# KiCad board keybird42.kicad_pcb (continued)
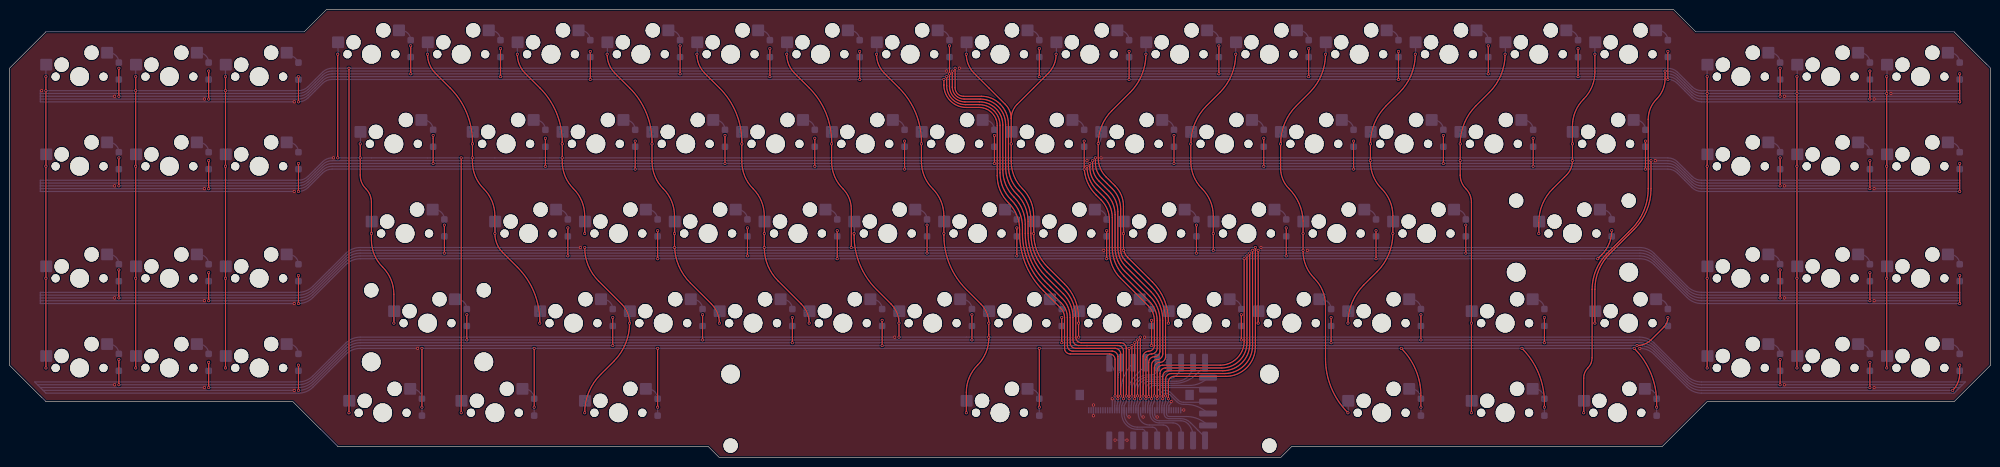
[diagram p0: board, top side]
## Routing (per net, layer and track width the routed paths; a pad name or vN(x,y) marks a point on that pad's centre or on a via; arc(x,y) is an arc through that point) (continued)
  vias: v1(45.84,77.99)
/COL2: length 488
  Top w0.254: v1(230.39,63.7) 230.39,62.6 arc(230.73,60.86) 231.71,59.39 233.96,57.15 arc(235.28,55.17) 235.74,52.84 235.74,44.2 arc(235.99,42.96) 236.69,41.92 242.32,36.28 arc(244.5,33.02) 245.27,29.17 245.27,21.43 arc(244.92,20.59) 244.08,20.24 arc(243.24,19.89) 242.89,19.05 v1(242.89,13.1) ; v1(122.04,47.63) 122.04,51.4 arc(121.42,54.51) 119.66,57.15 arc(117.95,59.65) 117.28,62.61 117.28,66.67 v1(117.28,66.68) 117.28,67.08 arc(116.04,73.31) 112.51,78.58 109.44,81.66 arc(108.19,83.53) v1(107.75,85.73) ; v1(69.65,85.73) v1(69.65,63.7) ; v1(112.51,28.58) 112.51,28.98 arc(111.28,35.21) 107.75,40.48 104.67,43.56 arc(103.43,45.43) v1(102.99,47.63) 102.99,51.4 arc(102.37,54.51) 100.61,57.15 arc(98.9,59.65) 98.23,62.61 98.23,66.67 v1(98.23,66.68) 98.23,67.08 arc(96.99,73.31) 93.46,78.58 90.39,81.66 arc(89.14,83.53) v1(88.7,85.73) ; v1(81.56,28.58) 81.56,34.73 arc(80.94,37.84) 79.18,40.48 arc(77.41,43.12) 76.8,46.23 v1(76.8,47.63) 76.8,54.28 arc(76.49,55.83) 75.6,57.15 arc(74.72,58.47) 74.41,60.02 v1(74.41,66.68) ; v1(95.85,9.53) v1(95.85,63.7)
  Bottom w0.254: v1(230.39,63.7) v1(117.28,63.7) v1(98.23,63.7) v1(95.85,63.7) v1(74.41,63.7) v1(69.65,63.7) ; v1(95.85,9.53) 95.85,12.01 arc(95.86,12.05) SW502.1 ; 103.05,50.17 103.05,47.68 arc(103.03,47.64) v1(102.99,47.63) ; U1.15 251.1,4.54 arc(250.81,5.99) 249.99,7.22 arc(249.32,7.67) 248.54,7.83 243.93,7.83 arc(242.9,8.26) 242.47,9.29 J1.28 242.47,11.01 242.89,11.91 v1(242.89,13.1) ; SW212.1 74.47,66.73 arc(74.46,66.69) v1(74.41,66.68) ; 122.1,50.17 122.1,47.68 arc(122.08,47.64) v1(122.04,47.63) ; SW112.1 69.71,85.78 arc(69.69,85.74) v1(69.65,85.73) ; v1(112.51,28.58) 112.51,30.97 arc(112.53,31.05) SW432.1 ; v1(107.75,85.73) 107.75,88.21 arc(107.77,88.25) SW132.1 ; SW412.1 81.62,28.63 arc(81.6,28.59) v1(81.56,28.58) ; SW222.1 98.29,66.73 arc(98.27,66.69) v1(98.23,66.68) ; 76.85,50.17 76.85,47.68 arc(76.84,47.64) v1(76.8,47.63) ; v1(88.7,85.73) 88.7,88.21 arc(88.72,88.25) SW122.1 ; SW232.1 117.34,66.73 arc(117.32,66.69) v1(117.28,66.68)
/COL3: length 449.2
  Top w0.254: v1(245.86,12.5) 245.86,16.07 arc(246.21,16.92) 247.05,17.26 258.04,17.26 arc(262.48,19.1) 264.32,23.54 v1(264.32,44.65) ; v1(178.59,44.65) 178.59,52.84 arc(178.13,55.17) 176.81,57.15 arc(175.05,59.79) 174.43,62.9 v1(174.43,66.68) 174.43,67.08 arc(173.19,73.31) 169.66,78.58 166.59,81.66 arc(165.34,83.53) v1(164.9,85.73) ; v1(145.85,85.73) arc(146.29,83.53) 147.54,81.66 150.61,78.58 arc(154.14,73.31) 155.38,67.08 v1(155.38,66.68) 155.38,62.9 arc(156,59.79) 157.76,57.15 arc(159.52,54.51) 160.14,51.4 v1(160.14,44.65) arc(160.91,40.8) 163.09,37.53 167.98,32.64 arc(169.23,30.78) v1(169.66,28.58) ; v1(122.04,44.65) arc(122.8,40.8) 124.99,37.53 129.88,32.64 arc(131.13,30.78) v1(131.56,28.58) arc(130.69,24.18) 128.2,20.44 125.41,17.66 arc(122.91,13.92) v1(122.04,9.53) ; v1(126.8,85.73) arc(127.24,83.53) 128.49,81.66 131.56,78.58 arc(135.09,73.31) 136.33,67.08 v1(136.33,66.68) 136.33,62.9 arc(136.95,59.79) 138.71,57.15 arc(140.47,54.51) 141.09,51.4 v1(141.09,47.63) 141.09,45.24 arc(141.96,40.84) 144.46,37.11 148.93,32.64 arc(150.18,30.78) v1(150.61,28.58)
  Bottom w0.254: v1(245.86,12.5) 245.86,11.91 245.47,11.01 J1.34 245.47,9.29 arc(245.63,8.9) 246.03,8.73 249.68,8.73 arc(252.17,8.24) U1.13 ; 160.2,50.17 160.2,47.68 arc(160.18,47.64) v1(160.14,47.63) ; SW123.1 145.91,85.87 arc(145.9,85.79) v1(145.85,85.73) ; SW113.1 126.86,85.78 arc(126.84,85.74) v1(126.8,85.73) ; v1(264.32,44.65) v1(178.59,44.65) v1(160.14,44.65) v1(141.09,44.65) v1(122.04,44.65) ; SW433.1 169.72,28.63 arc(169.71,28.59) v1(169.66,28.58) ; 141.15,50.17 141.15,47.77 arc(141.13,47.69) v1(141.09,47.63) ; v1(122.04,9.53) 122.04,11.92 arc(122.05,12) SW503.1 ; SW413.1 131.62,28.72 arc(131.61,28.64) v1(131.56,28.58) ; SW223.1 155.44,66.82 arc(155.42,66.74) v1(155.38,66.68) ; SW233.1 174.49,66.82 arc(174.47,66.74) v1(174.43,66.68) ; SW133.1 164.96,85.78 arc(164.94,85.74) v1(164.9,85.73) ; SW213.1 136.39,66.82 arc(136.37,66.74) v1(136.33,66.68) ; SW423.1 150.67,28.63 arc(150.66,28.59) v1(150.61,28.58)
/COL4: length 303.8
  Top w0.254: v1(203,9.53) 203,13.9 arc(203.62,17.01) 205.38,19.65 arc(207.15,22.28) 207.76,25.39 v1(207.76,28.58) arc(207.33,30.78) 206.08,32.64 203,35.72 arc(199.48,40.99) 198.24,47.22 v1(198.24,47.63) 198.24,51.4 arc(197.62,54.51) 195.86,57.15 arc(194.1,59.79) 193.48,62.9 v1(193.48,66.68) 193.48,67.08 arc(192.24,73.31) 188.71,78.58 185.64,81.66 arc(184.39,83.53) v1(183.95,85.73) ; v1(179.19,47.63) 179.19,47.22 arc(180.43,40.99) 183.95,35.72 187.03,32.64 arc(188.28,30.78) v1(188.71,28.58) v1(188.71,25.6) ; v1(239.91,25.6) v1(239.91,12.5) ; v1(226.81,25.6) v1(226.81,28.58) 226.81,29.72 arc(226.04,33.61) 223.84,36.91 220.24,40.51 arc(218.06,43.78) v1(217.29,47.63) 217.29,51.4 arc(216.67,54.51) 214.91,57.15 arc(213.15,59.79) 212.53,62.9 v1(212.53,66.68) 212.53,72.03 ; 212.53,72.03 arc(212.2,73.68) 211.26,75.08 204.69,81.66 arc(203.44,83.53) v1(203,85.73) ; 212.53,72.03 arc(212.85,73.68) 213.79,75.08 220.37,81.66 arc(221.61,83.53) v1(222.05,85.73)
  Bottom w0.254: SW414.1 188.77,28.63 arc(188.76,28.59) v1(188.71,28.58) ; SW114.1 184.01,85.87 arc(184,85.79) v1(183.95,85.73) ; v1(239.91,25.6) v1(226.81,25.6) v1(207.76,25.6) v1(188.71,25.6) ; v1(239.91,12.5) 239.91,11.91 239.47,11.01 J1.22 239.47,9.29 arc(240.16,7.62) 241.84,6.92 244.76,6.92 arc(245.65,6.55) 246.02,5.66 U1.17 ; 179.25,50.17 179.25,47.68 arc(179.23,47.64) v1(179.19,47.63) ; SW134.1 222.11,85.87 arc(222.1,85.79) v1(222.05,85.73) ; SW214.1 193.54,66.82 arc(193.52,66.74) v1(193.48,66.68) ; v1(203,85.73) 203,88.12 arc(203.02,88.2) SW124.1 ; SW334.1 217.35,47.68 arc(217.33,47.64) v1(217.29,47.63) ; v1(212.53,66.68) 212.53,69.07 ; v1(226.81,28.58) 226.81,30.97 arc(226.83,31.05) SW434.1 ; SW504.1 203.06,9.58 arc(203.04,9.54) v1(203,9.53) ; v1(207.76,28.58) 207.76,30.97 arc(207.78,31.05) SW424.1 ; v1(198.24,47.63) 198.24,50.02 arc(198.25,50.1) SW324.1
/COL5: length 340.7
  Top w0.254: v1(269.68,66.68) 269.68,61.46 arc(270.14,59.13) 271.46,57.15 arc(273.61,53.99) 274.44,50.27 274.44,44.06 v1(274.44,44.05) 274.44,43.85 arc(275.06,40.74) 276.82,38.1 arc(278.58,35.46) 279.2,32.35 279.2,21.02 arc(280.44,14.8) v1(283.96,9.53) ; v1(269.68,66.68) 269.68,67.08 ; v1(269.68,66.68) arc(270.55,71.08) 273.04,74.81 275.83,77.59 arc(278.33,81.33) v1(279.2,85.73) ; v1(263.72,44.05) 263.72,23.81 arc(261.98,19.6) 257.78,17.86 246.46,17.86 arc(245.62,17.51) 245.27,16.67 v1(245.27,13.1) ; v1(245.86,28.58) 245.86,29.17 arc(244.99,33.57) 242.5,37.3 237.18,42.62 arc(236.56,43.55) 236.34,44.65 v1(236.34,47.63) 236.34,53.43 arc(235.88,55.77) 234.55,57.75 232.67,59.63 arc(231.42,61.5) 230.98,63.7 v1(230.98,66.75) arc(231.73,70.53) 233.88,73.74 237.73,77.59 arc(240.23,81.33) v1(241.1,85.73) ; v1(264.91,28.58) v1(264.91,44.05) ; v1(255.39,44.05) v1(255.39,47.63) 255.39,51.4 arc(254.77,54.51) 253.01,57.15 arc(251.25,59.79) 250.63,62.9 v1(250.63,66.68) arc(251.5,71.08) 253.99,74.81 256.78,77.59 arc(259.28,81.33) v1(260.15,85.73)
  Bottom w0.254: SW235.1 269.74,66.82 arc(269.72,66.74) v1(269.68,66.68) ; SW505.1 284.02,9.58 v1(283.96,9.53) ; 255.45,50.17 255.45,47.68 arc(255.43,47.64) v1(255.39,47.63) ; SW425.1 264.97,28.63 arc(264.96,28.59) v1(264.91,28.58) ; v1(260.15,85.73) 260.15,88.12 arc(260.17,88.2) SW125.1 ; SW215.1 231.64,68.32 arc(231.47,67.47) v1(230.98,66.75) ; SW135.1 279.26,85.87 arc(279.25,85.79) v1(279.2,85.73) ; SW225.1 250.69,66.82 arc(250.67,66.74) v1(250.63,66.68) ; SW415.1 245.92,28.72 arc(245.91,28.64) v1(245.86,28.58) ; v1(241.1,85.73) 241.1,88.12 arc(241.12,88.2) SW115.1 ; v1(274.44,44.05) v1(264.91,44.05) v1(255.39,44.05) v1(236.34,44.05) ; SW315.1 236.4,47.68 arc(236.38,47.64) v1(236.34,47.63) ; 274.5,50.17 274.5,47.68 arc(274.48,47.64) v1(274.44,47.63) ; v1(245.27,13.1) 245.27,11.91 244.97,11.01 J1.33 244.97,9.3 arc(245.27,8.58) 245.99,8.28 248.48,8.28 arc(249.6,8.06) 250.54,7.43 253.17,4.8 arc(253.52,4.28) U1.14
/COL6: length 444.4
  Top w0.254: v1(229.79,63.1) 229.79,62.04 arc(230.14,60.27) 231.14,58.78 233.36,56.55 arc(234.68,54.58) 235.15,52.24 235.15,44.65 arc(235.59,42.45) 236.83,40.58 242.15,35.27 arc(244.02,32.47) 244.67,29.17 244.67,22.03 arc(244.32,21.18) 243.48,20.84 arc(242.64,20.49) 242.29,19.65 v1(242.29,12.5) ; v1(310.16,9.53) v1(310.16,28.58) 310.16,54.28 arc(309.85,55.83) 308.97,57.15 arc(308.09,58.47) 307.78,60.02 307.78,60.03 v1(307.78,66.68) arc(308.65,71.08) 311.14,74.81 313.93,77.59 arc(316.43,81.33) v1(317.3,85.73) ; v1(324.45,47.63) 324.45,49.96 arc(325.22,53.85) 327.42,57.15 330.33,60.05 arc(331.26,61.45) v1(331.59,63.1) 331.59,70.45 arc(332.21,73.56) 333.97,76.2 arc(335.73,78.84) 336.35,81.95 v1(336.35,85.73) ; v1(348.26,63.1) 348.26,57.15 arc(347.33,52.48) 344.68,48.51 339.51,43.34 arc(337.17,39.84) 336.35,35.72 336.35,28.58 arc(336.35,28.58) v1(336.35,28.58) ; v1(298.25,85.73) arc(297.38,81.33) 294.88,77.59 292.09,74.81 arc(289.6,71.08) v1(288.73,66.68) 288.73,62.9 arc(289.35,59.79) 291.11,57.15 arc(292.87,54.51) 293.49,51.4 v1(293.49,47.63) arc(292.61,43.23) 290.12,39.49 287.33,36.71 arc(284.84,32.98) v1(283.96,28.58)
  Bottom w0.254: U1.16 248.56,5.65 arc(248.06,6.87) 246.84,7.37 243.9,7.37 arc(242.54,7.94) 241.97,9.3 J1.27 241.97,11.01 242.29,11.91 v1(242.29,12.5) ; SW226.1 307.84,66.82 arc(307.82,66.74) v1(307.78,66.68) ; SW126.1 317.36,85.87 arc(317.35,85.79) v1(317.3,85.73) ; v1(348.26,63.1) v1(307.78,63.1) v1(288.73,63.1) v1(229.79,63.1) ; v1(283.96,28.58) 283.96,30.97 arc(283.98,31.05) SW416.1 ; v1(293.49,47.63) 293.49,50.02 arc(293.5,50.1) SW316.1 ; SW216.1 288.79,66.82 arc(288.77,66.74) v1(288.73,66.68) ; v1(336.35,85.73) 336.35,88.12 arc(336.37,88.2) SW136.1 ; v1(336.35,28.58) 336.35,30.97 arc(336.37,31.05) SW436.1 ; SW116.1 298.31,85.87 arc(298.3,85.79) v1(298.25,85.73) ; v1(331.59,66.68) 331.59,69.07 arc(331.6,69.15) SW236.1 ; v1(310.16,9.53) 310.16,11.92 arc(310.17,12) SW506.1 ; 324.5,50.17 324.5,47.77 arc(324.49,47.69) v1(324.45,47.63) ; v1(310.16,28.58) 310.16,30.97 arc(310.17,31.05) SW426.1
/COL7: length 601
  Top w0.254: v1(398.26,19.05) v1(398.26,38.1) v1(398.26,61.91) v1(398.26,80.96) ; v1(379.21,80.96) v1(379.21,61.91) v1(379.21,38.1) v1(379.21,19.05) ; v1(236.34,12.5) 236.34,22.62 arc(235.99,23.46) 235.15,23.81 ; 360.16,19.05 v1(360.16,19.05) v1(360.16,38.1) v1(360.16,61.91) v1(360.16,80.96) ; v1(200.03,82.15) 200.03,78.73 arc(200.77,76.94) 202.55,76.2 205.93,76.2 arc(209.75,74.62) 211.34,70.79 211.34,61.71 arc(211.95,58.6) 213.72,55.96 arc(215.48,53.32) 216.1,50.21 216.1,47.63 arc(217.08,42.68) 219.89,38.48 223.52,34.85 arc(225.08,32.52) 225.62,29.77 225.62,25 arc(225.97,24.16) 226.81,23.81 235.15,23.81 ; v1(333.97,9.53) 333.97,16.9 arc(334.2,18.06) 334.86,19.05 arc(335.52,20.04) 335.76,21.21 335.76,35.72 arc(336.58,39.84) 338.91,43.34 344.08,48.51 arc(346.73,52.48) 347.66,57.15 347.66,71.89 arc(348.13,74.22) 349.45,76.2 arc(350.77,78.18) 351.23,80.51 v1(351.23,82.15)
  Bottom w0.254: SW137.1 398.32,81.02 arc(398.31,80.98) v1(398.26,80.96) ; SW427.1 379.27,19.11 arc(379.26,19.07) v1(379.21,19.05) ; v1(360.16,80.96) 360.16,83.36 arc(360.18,83.44) SW117.1 ; SW127.1 379.27,81.02 arc(379.26,80.98) v1(379.21,80.96) ; v1(360.16,61.91) 360.16,64.31 arc(360.18,64.39) SW217.1 ; 398.32,40.65 398.32,38.16 arc(398.31,38.12) v1(398.26,38.1) ; v1(398.26,19.05) 398.26,21.55 arc(398.28,21.59) 398.32,21.6 ; U1.19 240.94,5.41 arc(240.77,5.84) 240.34,6.02 239.23,6.02 arc(236.92,6.97) 235.97,9.28 J1.15 235.97,11.01 236.34,11.91 v1(236.34,12.5) ; v1(379.21,38.1) 379.21,40.58 arc(379.23,40.62) SW327.1 ; v1(200.03,82.15) 351.83,82.15 arc(352.93,81.93) 353.86,81.31 356.94,78.23 arc(357.87,77.61) 358.97,77.39 v1(360.16,77.39) v1(379.21,77.39) v1(398.26,77.39) ; SW507.1 334.03,9.58 arc(334.01,9.54) v1(333.97,9.53) ; SW227.1 379.27,61.97 arc(379.26,61.93) v1(379.21,61.91) ; SW317.1 360.22,38.24 arc(360.21,38.17) v1(360.16,38.1) ; SW237.1 398.32,61.97 arc(398.31,61.93) v1(398.26,61.91) ; v1(360.16,19.05) 360.16,21.53 arc(360.18,21.57) SW417.1
/ROW11: length 515.5
  Top w0.254: 226.22,23.22 234.55,23.22 arc(235.4,22.87) 235.74,22.03 v1(235.74,13.1) ; v1(23.22,82.75) v1(23.22,76.8) ; v1(256.58,87.51) v1(256.58,81.56) ; v1(199.43,87.51) 199.43,78.88 199.43,78.88 arc(200.39,76.56) 202.7,75.6 205.79,75.6 arc(209.29,74.16) 210.74,70.66 210.74,61.11 arc(211.36,58) 213.12,55.36 arc(214.88,52.73) 215.5,49.62 215.5,47.63 arc(216.6,42.13) 219.71,37.46 223.34,33.83 arc(224.59,31.97) 225.03,29.77 225.03,24.41 ; v1(375.64,82.75) v1(375.64,76.8) ; v1(142.28,87.51) v1(142.28,81.56) ; v1(313.73,87.51) v1(313.73,81.56) ; v1(85.13,87.51) v1(85.13,81.56) ; 226.22,23.22 arc(225.38,23.57) 225.03,24.41
  Bottom w0.254: D115.1 v1(256.58,87.51) ; J1.14 235.47,11.01 235.74,11.91 v1(235.74,13.1) 235.74,13.74 arc(236.43,17.22) U1.2 ; D114.1 v1(199.43,87.51) ; D112.1 85.13,86.92 arc(85.13,86.92) 85.13,86.92 85.13,86.92 v1(85.13,87.51) ; D113.1 v1(142.28,87.51) ; v1(375.64,76.8) 358.97,76.8 arc(357.87,77.01) 356.94,77.64 353.86,80.72 arc(352.93,81.34) 351.83,81.56 v1(313.73,81.56) v1(199.43,81.56) v1(142.28,81.56) v1(85.13,81.56) 68.46,81.56 arc(67.36,81.34) 66.43,80.72 63.35,77.64 arc(62.42,77.01) 61.32,76.8 v1(23.22,76.8) ; D117.1 375.64,82.75 arc(375.64,82.75) v1(375.64,82.75) ; v1(23.22,82.75) D111.1 ; D116.1 v1(313.73,87.51)
/ROW12: length 510.7
  Top w0.254: v1(235.15,12.5) 235.15,21.43 arc(234.8,22.27) 233.96,22.62 233.96,22.62 225.62,22.62 ; v1(275.63,86.92) v1(275.63,80.96) ; v1(332.78,86.92) v1(332.78,80.96) ; v1(198.83,80.96) 198.83,79.03 198.83,79.03 arc(200.01,76.19) 202.85,75.01 205.74,75.01 arc(208.86,73.72) 210.15,70.61 210.15,60.52 arc(210.76,57.41) 212.53,54.77 arc(214.29,52.13) 214.91,49.02 214.91,47.63 arc(216.11,41.58) 219.54,36.45 223.17,32.81 arc(224.1,31.42) 224.43,29.77 224.43,23.81 ; v1(394.69,82.15) v1(394.69,76.2) ; v1(42.27,82.15) v1(42.27,76.2) ; v1(218.48,86.92) v1(218.48,80.96) ; v1(161.33,86.92) v1(161.33,80.96) ; v1(104.18,86.92) v1(104.18,80.96) ; 225.62,22.62 arc(224.78,22.97) 224.43,23.81
  Bottom w0.254: D123.1 v1(161.33,86.92) ; v1(394.69,76.2) 358.97,76.2 arc(357.87,76.42) 356.94,77.04 353.86,80.12 arc(352.93,80.74) 351.83,80.96 v1(332.78,80.96) v1(275.63,80.96) v1(218.48,80.96) v1(198.83,80.96) v1(161.33,80.96) v1(104.18,80.96) 68.46,80.96 arc(67.36,80.74) 66.43,80.12 63.35,77.04 arc(62.42,76.42) 61.32,76.2 v1(42.27,76.2) ; D125.1 v1(275.63,86.92) ; J1.13 234.97,11.01 235.15,11.91 v1(235.15,12.5) 235.15,17.02 arc(235.3,17.8) 235.74,18.45 arc(235.83,18.59) 235.86,18.74 U1.1 ; D122.1 v1(104.18,86.92) ; D126.1 v1(332.78,86.92) ; D124.1 v1(218.48,86.92) ; D121.1 v1(42.27,82.15) ; D127.1 394.69,82.15 arc(394.69,82.15) v1(394.69,82.15)
/ROW13: length 504.8
  Top w0.254: v1(123.23,86.32) v1(123.23,80.37) ; v1(413.74,81.56) v1(413.74,75.6) ; v1(234.55,13.1) 234.55,20.84 arc(234.2,21.68) 233.36,22.03 225.03,22.03 arc(224.19,22.37) 223.84,23.22 ; v1(237.53,86.32) v1(237.53,80.37) ; v1(294.68,86.32) v1(294.68,80.37) ; v1(198.24,80.37) 198.24,79.18 arc(199.63,75.81) 203,74.41 205.68,74.41 arc(208.42,73.28) 209.55,70.55 209.55,59.92 arc(210.17,56.81) 211.93,54.17 arc(213.69,51.54) 214.31,48.42 214.31,47.56 arc(215.61,41.02) 219.32,35.48 223,31.8 arc(223.62,30.87) 223.84,29.77 223.84,23.22 ; v1(351.83,86.32) v1(351.83,80.37) ; v1(180.38,86.32) v1(180.38,80.37) ; v1(61.32,80.96) v1(61.32,75.6)
  Bottom w0.254: D133.1 v1(180.38,86.32) ; D136.1 v1(351.83,86.32) ; v1(413.74,75.6) 358.97,75.6 arc(357.87,75.82) 356.94,76.45 353.86,79.53 arc(352.93,80.15) v1(351.83,80.37) v1(294.68,80.37) v1(237.53,80.37) v1(198.24,80.37) v1(180.38,80.37) v1(123.23,80.37) 68.46,80.37 arc(67.36,80.15) 66.43,79.53 63.35,76.45 arc(62.42,75.82) v1(61.32,75.6) ; v1(123.23,86.32) D132.1 ; D135.1 v1(294.68,86.32) ; D137.1 413.74,81.56 arc(413.74,81.56) v1(413.74,81.56) ; v1(61.32,80.96) 61.32,79.76 ; D134.1 v1(237.53,86.32) ; J1.12 234.47,11.01 234.55,11.91 v1(234.55,13.1) 234.55,17.19 arc(234.23,18.8) U1.0
/ROW21: length 488.1
  Top w0.254: v1(151.8,68.46) v1(151.8,62.51) ; v1(247.05,68.46) v1(247.05,62.51) ; v1(89.89,68.46) v1(89.89,62.51) ; v1(375.64,63.7) v1(375.64,57.75) ; v1(208.95,68.46) v1(208.95,62.51) ; v1(23.22,63.7) v1(23.22,57.75) ; v1(304.2,68.46) v1(304.2,62.51) ; v1(229.2,62.48) 229.2,61.7 arc(229.59,59.7) 230.73,58 232.77,55.96 arc(234.09,53.98) 234.55,51.65 234.55,44.65 arc(235.1,41.9) 236.66,39.57 241.97,34.25 arc(243.53,31.92) 244.08,29.17 244.08,22.62 arc(243.73,21.78) 242.89,21.43 arc(242.05,21.08) 241.7,20.24 241.7,12.99 arc(241.69,12.99) v1(241.69,12.98)
  Bottom w0.254: J1.26 241.47,11.01 241.7,11.91 241.7,12.97 v1(241.69,12.98) 241.69,14.13 arc(242.04,14.98) 242.89,15.33 250.28,15.33 arc(252.44,15.76) U1.9 ; D214.1 v1(208.95,68.46) ; D213.1 v1(151.8,68.46) ; D215.1 v1(247.05,68.46) ; D216.1 v1(304.2,68.46) ; D217.1 375.64,63.7 arc(375.64,63.7) v1(375.64,63.7) ; v1(89.89,68.46) 89.89,67.87 89.89,67.87 D212.1 ; v1(23.22,57.75) 61.32,57.75 arc(62.42,57.96) 63.35,58.59 66.43,61.67 arc(67.36,62.29) 68.46,62.51 v1(89.89,62.51) v1(151.8,62.51) v1(208.95,62.51) 229.17,62.51 v1(229.2,62.48) 229.22,62.51 v1(247.05,62.51) v1(304.2,62.51) 351.83,62.51 arc(352.93,62.29) 353.86,61.67 356.94,58.59 arc(357.87,57.96) 358.97,57.75 v1(375.64,57.75) ; D211.1 v1(23.22,63.7)
/ROW22: length 477.7
  Top w0.254: v1(170.85,67.87) v1(170.85,61.91) ; v1(42.27,63.1) v1(42.27,57.15) ; v1(266.1,67.87) v1(266.1,61.91) ; v1(323.25,67.87) v1(323.25,61.91) ; v1(394.69,63.1) v1(394.69,57.15) ; v1(113.7,67.87) v1(113.7,61.91) ; v1(241.1,12.5) arc(241.1,12.5) 241.1,12.5 241.1,20.84 arc(241.45,21.68) 242.29,22.03 arc(243.13,22.38) 243.48,23.22 243.48,29.17 arc(243.05,31.37) 241.8,33.24 236.48,38.55 arc(234.61,41.35) 233.96,44.65 233.96,51.05 arc(233.49,53.39) 232.17,55.36 230.66,56.88 arc(229.13,59.16) 228.6,61.84
  Bottom w0.254: v1(42.27,57.15) 61.32,57.15 arc(62.42,57.37) 63.35,57.99 66.43,61.07 arc(67.36,61.69) 68.46,61.91 v1(113.7,61.91) v1(170.85,61.91) v1(228.6,61.91) v1(266.1,61.91) v1(323.25,61.91) 351.83,61.91 arc(352.93,61.69) 353.86,61.07 356.94,57.99 arc(357.87,57.37) 358.97,57.15 v1(394.69,57.15) ; D222.1 v1(113.7,67.87) ; D223.1 v1(170.85,67.87) ; D226.1 323.25,67.87 arc(323.25,67.87) v1(323.25,67.87) ; D225.1 v1(266.1,67.87) ; D227.1 394.69,63.1 arc(394.69,63.1) v1(394.69,63.1) ; D221.1 v1(42.27,63.1) ; J1.25 240.97,11.01 241.1,11.91 241.1,12.5 v1(241.1,12.5) 241.1,14.58 arc(241.45,15.43) 242.29,15.78 247.16,15.78 arc(249.68,16.28) 251.8,17.7 253.2,19.09 arc(253.53,19.58) U1.8
/ROW23: length 479.3
  Top w0.254: v1(189.9,67.27) v1(189.9,61.32) ; v1(413.74,62.51) v1(413.74,56.55) ; v1(228,67.27) 228,61.91 arc(228.66,58.61) 230.53,55.81 231.58,54.77 arc(232.9,52.79) 233.36,50.46 233.36,43.82 arc(233.98,40.74) 235.73,38.12 241.62,32.22 arc(242.56,30.82) 242.89,29.17 242.89,23.81 arc(242.54,22.97) 241.7,22.62 arc(240.86,22.27) 240.51,21.43 v1(240.51,13.1) ; v1(285.15,67.27) v1(285.15,61.32) ; v1(61.32,62.51) v1(61.32,56.55) ; v1(132.75,67.27) v1(132.75,61.32) ; v1(347.07,67.27) v1(347.07,61.32)
  Bottom w0.254: U1.7 251.1,19.71 arc(250.08,17.25) 247.61,16.22 241.7,16.22 arc(240.86,15.87) 240.51,15.03 v1(240.51,13.1) J1.24 ; D235.1 v1(285.15,67.27) ; D237.1 413.74,62.51 arc(413.74,62.51) v1(413.74,62.51) ; v1(132.75,67.27) D232.1 ; v1(413.74,56.55) 358.97,56.55 arc(357.87,56.77) 356.94,57.4 353.86,60.48 arc(352.93,61.1) 351.83,61.32 v1(347.07,61.32) v1(285.15,61.32) v1(228,61.32) v1(189.9,61.32) v1(132.75,61.32) 68.46,61.32 arc(67.36,61.1) 66.43,60.48 63.35,57.4 arc(62.42,56.77) v1(61.32,56.55) ; D236.1 v1(347.07,67.27) ; D234.1 v1(228,67.27) ; v1(61.32,62.51) D231.1 ; D233.1 v1(189.9,67.27)
/ROW31: length 470.5
  Top w0.254: v1(251.82,49.41) v1(251.82,43.46) ; v1(194.67,49.41) v1(194.67,43.46) ; v1(263.13,43.46) 263.13,24.15 arc(261.46,20.12) 257.43,18.45 245.86,18.45 arc(245.02,18.11) 244.67,17.26 v1(244.67,12.5) ; v1(375.64,39.89) v1(375.64,33.93) ; v1(23.22,39.89) v1(23.22,33.93) ; v1(308.97,49.41) v1(308.97,43.46) ; v1(92.27,49.41) v1(92.27,43.46)
  Bottom w0.254: D312.1 v1(92.27,49.41) ; D314.1 v1(194.67,49.41) ; D311.1 v1(23.22,39.89) ; D316.1 v1(308.97,49.41) ; v1(375.64,33.93) 358.97,33.93 arc(357.32,34.26) 355.92,35.2 348.93,42.19 arc(347.53,43.13) 345.88,43.46 v1(308.97,43.46) v1(251.82,43.46) v1(194.67,43.46) v1(92.27,43.46) 74.41,43.46 arc(72.76,43.13) 71.37,42.19 64.37,35.2 arc(62.97,34.26) 61.32,33.93 v1(23.22,33.93) ; D317.1 375.64,39.89 arc(375.64,39.89) v1(375.64,39.89) ; J1.32 244.47,11.01 244.67,11.91 v1(244.67,12.5) 244.67,13.1 arc(244.85,13.52) 245.27,13.69 arc(245.82,13.58) 246.29,13.27 247.69,11.87 arc(248.31,11.46) 249.04,11.31 249.58,11.31 arc(252.12,10.81) U1.12 ; D315.1 v1(251.82,49.41)
/ROW32: length 466.6
  Top w0.254: 262.53,24.41 v1(262.53,42.86) ; v1(156.57,48.82) v1(156.57,42.86) ; v1(118.47,48.82) v1(118.47,42.86) ; v1(394.69,39.29) v1(394.69,33.34) ; v1(270.87,48.82) v1(270.87,42.86) ; v1(244.08,13.1) 244.08,17.86 arc(244.43,18.7) 245.27,19.05 257.19,19.05 arc(260.97,20.62) 262.53,24.4 ; v1(213.72,48.82) v1(213.72,42.86) ; v1(42.27,39.29) v1(42.27,33.34)
  Bottom w0.254: v1(244.08,13.1) 244.08,13.3 ; v1(244.08,13.1) 244.08,11.91 243.97,11.01 J1.31 ; v1(244.08,13.1) arc(244.43,13.94) 245.27,14.29 arc(245.82,14.18) 246.29,13.87 247.93,12.22 arc(248.44,11.88) 249.05,11.76 253.92,11.76 arc(254.11,11.8) U1.11 ; D327.1 394.69,39.29 arc(394.69,39.29) v1(394.69,39.29) ; D322.1 v1(118.47,48.82) ; v1(394.69,33.34) 358.97,33.34 arc(357.32,33.67) 355.92,34.6 348.93,41.6 arc(347.53,42.53) 345.88,42.86 v1(270.87,42.86) v1(213.72,42.86) v1(156.57,42.86) v1(118.47,42.86) 74.41,42.86 arc(72.76,42.53) 71.37,41.6 64.37,34.6 arc(62.97,33.67) 61.32,33.34 v1(42.27,33.34) ; D323.1 v1(156.57,48.82) ; D324.1 v1(213.72,48.82) ; D325.1 v1(270.87,48.82) ; D321.1 v1(42.27,39.29)
/ROW33: length 471.5
  Top w0.254: v1(261.94,42.27) 261.94,24.73 arc(260.45,21.13) 256.85,19.65 244.67,19.65 arc(243.83,19.3) 243.48,18.45 v1(243.48,12.5) ; v1(232.77,48.22) v1(232.77,42.27) ; v1(336.95,42.27) 337.82,43.14 arc(339.38,45.47) v1(339.92,48.22) ; v1(137.52,48.22) v1(137.52,42.27) ; v1(175.62,48.22) v1(175.62,42.27) ; v1(61.32,38.7) v1(61.32,32.74) ; v1(289.92,48.22) v1(289.92,42.27) ; v1(413.74,38.7) v1(413.74,32.74)
  Bottom w0.254: D333.1 v1(175.62,48.22) ; D336.1 v1(339.92,48.22) ; D334.1 v1(232.77,48.22) ; D335.1 v1(289.92,48.22) ; v1(61.32,38.7) D331.1 ; 413.74,37.5 413.74,38.69 arc(413.74,38.7) v1(413.74,38.7) ; D332.1 v1(137.52,48.22) ; v1(413.74,32.74) 358.97,32.74 arc(357.32,33.07) 355.92,34.01 348.93,41 arc(347.53,41.94) 345.88,42.27 v1(232.77,42.27) v1(175.62,42.27) v1(137.52,42.27) 74.41,42.27 arc(72.76,41.94) 71.37,41 64.37,34.01 arc(62.97,33.07) v1(61.32,32.74) ; J1.30 v1(243.48,12.5) 243.48,13.69 arc(243.83,14.53) 244.67,14.88 253.84,14.88 arc(254.15,14.75) U1.10
/ROW41: length 442.8
  Top w0.254: v1(23.22,20.84) v1(23.22,15.48) ; v1(375.64,20.84) v1(375.64,15.48) ; v1(204.19,30.36) v1(204.19,25) ; v1(97.04,30.36) v1(97.04,25) ; v1(261.34,30.36) v1(261.34,25) ; v1(299.44,30.36) v1(299.44,25) ; v1(239.32,25) v1(239.32,13.1) ; v1(147.04,30.36) v1(147.04,25)
  Bottom w0.254: D416.1 299.44,30.36 arc(299.44,30.36) v1(299.44,30.36) ; U1.6 248.56,19.71 arc(247.73,17.62) 245.69,16.67 241.7,16.67 arc(240.02,15.97) 239.32,14.28 v1(239.32,13.1) 239.32,11.91 238.97,10.97 J1.21 ; D417.1 375.64,20.84 arc(375.64,20.84) v1(375.64,20.84) ; v1(23.22,15.48) 61.32,15.48 arc(62.97,15.81) 64.37,16.74 71.37,23.74 arc(72.76,24.67) 74.41,25 v1(97.04,25) v1(147.04,25) v1(204.19,25) v1(261.34,25) v1(299.44,25) 345.88,25 arc(347.53,24.67) 348.93,23.74 355.92,16.74 arc(357.32,15.81) 358.97,15.48 v1(375.64,15.48) ; D412.1 v1(97.04,30.36) ; D415.1 261.34,30.36 arc(261.34,30.36) v1(261.34,30.36) ; D413.1 147.04,30.36 arc(147.04,30.36) v1(147.04,30.36) ; D411.1 23.22,20.24 arc(23.22,20.24) 23.21,20.24 23.22,20.25 v1(23.22,20.84) ; 204.19,27.97 204.19,30.36 arc(204.19,30.36) v1(204.19,30.36)
/ROW42: length 429.9
  Top w0.254: v1(325.64,29.77) v1(325.64,24.41) ; v1(42.27,20.24) v1(42.27,14.88) ; v1(280.39,29.77) v1(280.39,24.41) ; v1(238.72,24.41) v1(238.72,12.5) ; v1(223.24,29.77) v1(223.24,24.41) ; v1(394.69,20.24) v1(394.69,14.88) ; v1(166.09,29.77) v1(166.09,24.41)
  Bottom w0.254: v1(394.69,14.88) 358.97,14.88 arc(357.32,15.21) 355.92,16.15 348.93,23.14 arc(347.53,24.08) 345.88,24.41 v1(325.64,24.41) v1(280.39,24.41) v1(223.24,24.41) v1(166.09,24.41) 74.41,24.41 arc(72.76,24.08) 71.37,23.14 64.37,16.15 arc(62.97,15.21) 61.32,14.88 v1(42.27,14.88) ; D424.1 223.24,29.77 arc(223.24,29.77) v1(223.24,29.77) ; D426.1 v1(325.64,29.77) ; D425.1 280.39,29.77 arc(280.39,29.77) v1(280.39,29.77) ; D427.1 394.69,20.24 arc(394.69,20.24) v1(394.69,20.24) ; 246.02,19.89 U1.5 246.02,19.45 arc(245.39,17.85) 243.84,17.12 241.58,17.12 arc(239.56,16.28) 238.72,14.26 v1(238.72,12.5) 238.72,11.91 238.47,11.01 J1.20 ; D421.1 v1(42.27,20.24) ; D423.1 166.09,29.77 arc(166.09,29.77) v1(166.09,29.77)
/ROW43: length 429.1
  Top w0.254: v1(413.74,19.65) 413.74,17.88 arc(413.36,15.94) v1(412.25,14.29) ; v1(185.14,29.17) v1(185.14,23.81) ; v1(127.99,29.77) v1(127.99,23.81) ; v1(242.29,29.17) v1(242.29,23.81) ; v1(238.13,23.81) v1(238.13,13.1) ; v1(61.32,19.65) v1(61.32,14.29) ; v1(345.28,23.81) arc(346.93,24.14) 348.33,25.08 350.99,27.73 arc(351.61,28.67) v1(351.83,29.77)
  Bottom w0.254: v1(412.25,14.29) 358.97,14.29 arc(357.32,14.62) 355.92,15.55 348.93,22.55 arc(347.53,23.48) 345.88,23.81 v1(242.29,23.81) v1(185.14,23.81) v1(127.99,23.81) 74.41,23.81 arc(72.76,23.48) 71.37,22.55 64.37,15.55 arc(62.97,14.62) v1(61.32,14.29) ; D434.1 242.29,29.17 arc(242.29,29.17) v1(242.29,29.17) ; v1(61.32,19.65) D431.1 v1(61.32,19.65) ; v1(61.32,19.65) 61.31,19.65 ; D432.1 127.99,29.76 arc(127.99,29.77) v1(127.99,29.77) ; D436.1 v1(351.83,29.77) ; J1.19 237.97,11.01 238.12,11.91 v1(238.13,13.1) 238.13,14.24 arc(239.1,16.59) 241.44,17.56 242.29,17.56 arc(243.13,17.91) 243.48,18.75 U1.4 ; v1(413.74,19.65) 413.74,18.46 arc(413.74,18.45) 413.74,18.45 ; D433.1 185.14,29.17 arc(185.14,29.17) v1(185.14,29.17)
/ROW50: length 382.9
  Top w0.254: v1(87.51,23.22) v1(87.51,10.72) ; v1(137.52,10.72) v1(137.52,23.22) ; v1(325.64,10.72) 325.64,11.72 arc(324.4,17.94) v1(320.87,23.22) ; v1(299.44,10.72) 299.44,13.16 arc(298.36,18.6) v1(295.28,23.22) ; v1(349.45,10.72) 349.45,11.72 arc(348.21,17.94) v1(344.69,23.22) ; v1(111.32,10.72) v1(111.32,23.22) ; v1(218.48,10.72) v1(218.48,23.22) ; v1(237.53,23.22) v1(237.53,12.5)
  Bottom w0.254: D507.1 v1(349.45,10.72) ; v1(87.51,23.22) v1(111.32,23.22) v1(137.52,23.22) v1(218.48,23.22) v1(344.69,23.22) ; v1(87.51,10.72) D501.1 ; D504.1 v1(218.48,10.72) ; D502.1 v1(111.32,10.72) ; D505.1 299.44,10.71 arc(299.44,10.72) v1(299.44,10.72) ; J1.18 237.47,11.01 237.53,11.91 v1(237.53,12.5) 237.53,14.39 arc(237.84,15.95) 238.72,17.26 240.47,19.01 arc(240.82,19.54) U1.3 ; D503.1 v1(137.52,10.72) ; D506.1 325.64,10.71 arc(325.64,10.72) v1(325.64,10.72)
